# KiCad board veramonitor.kicad_pcb
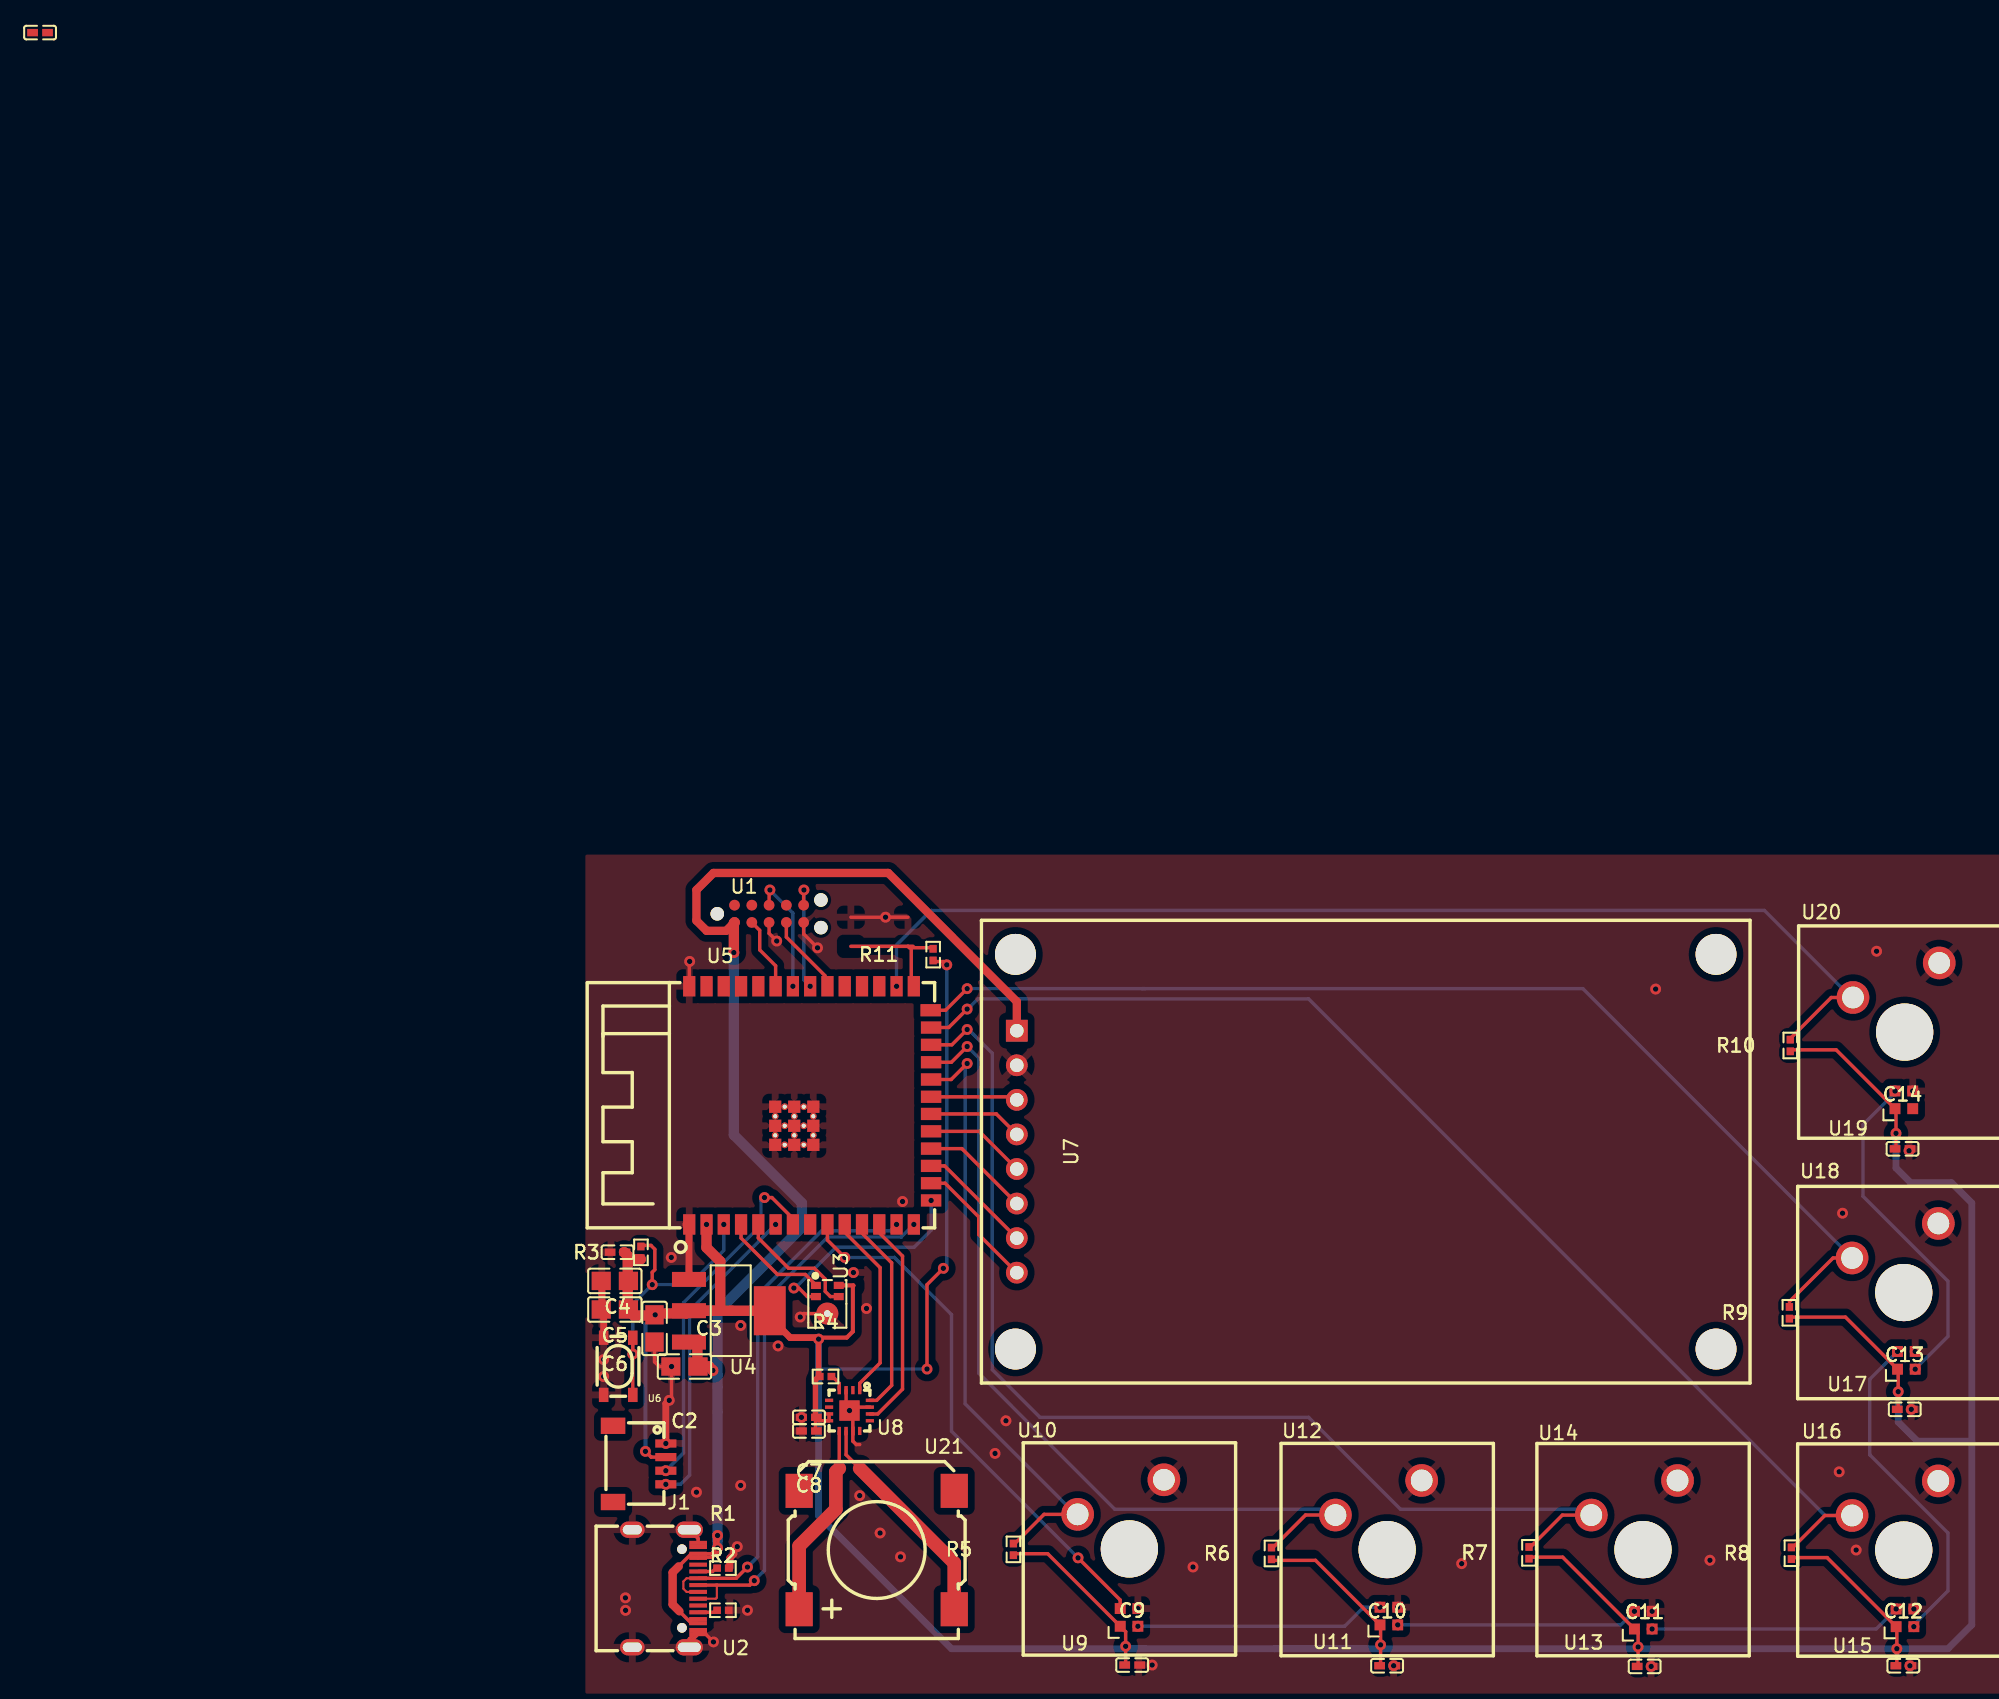
[diagram p0: board, top side]
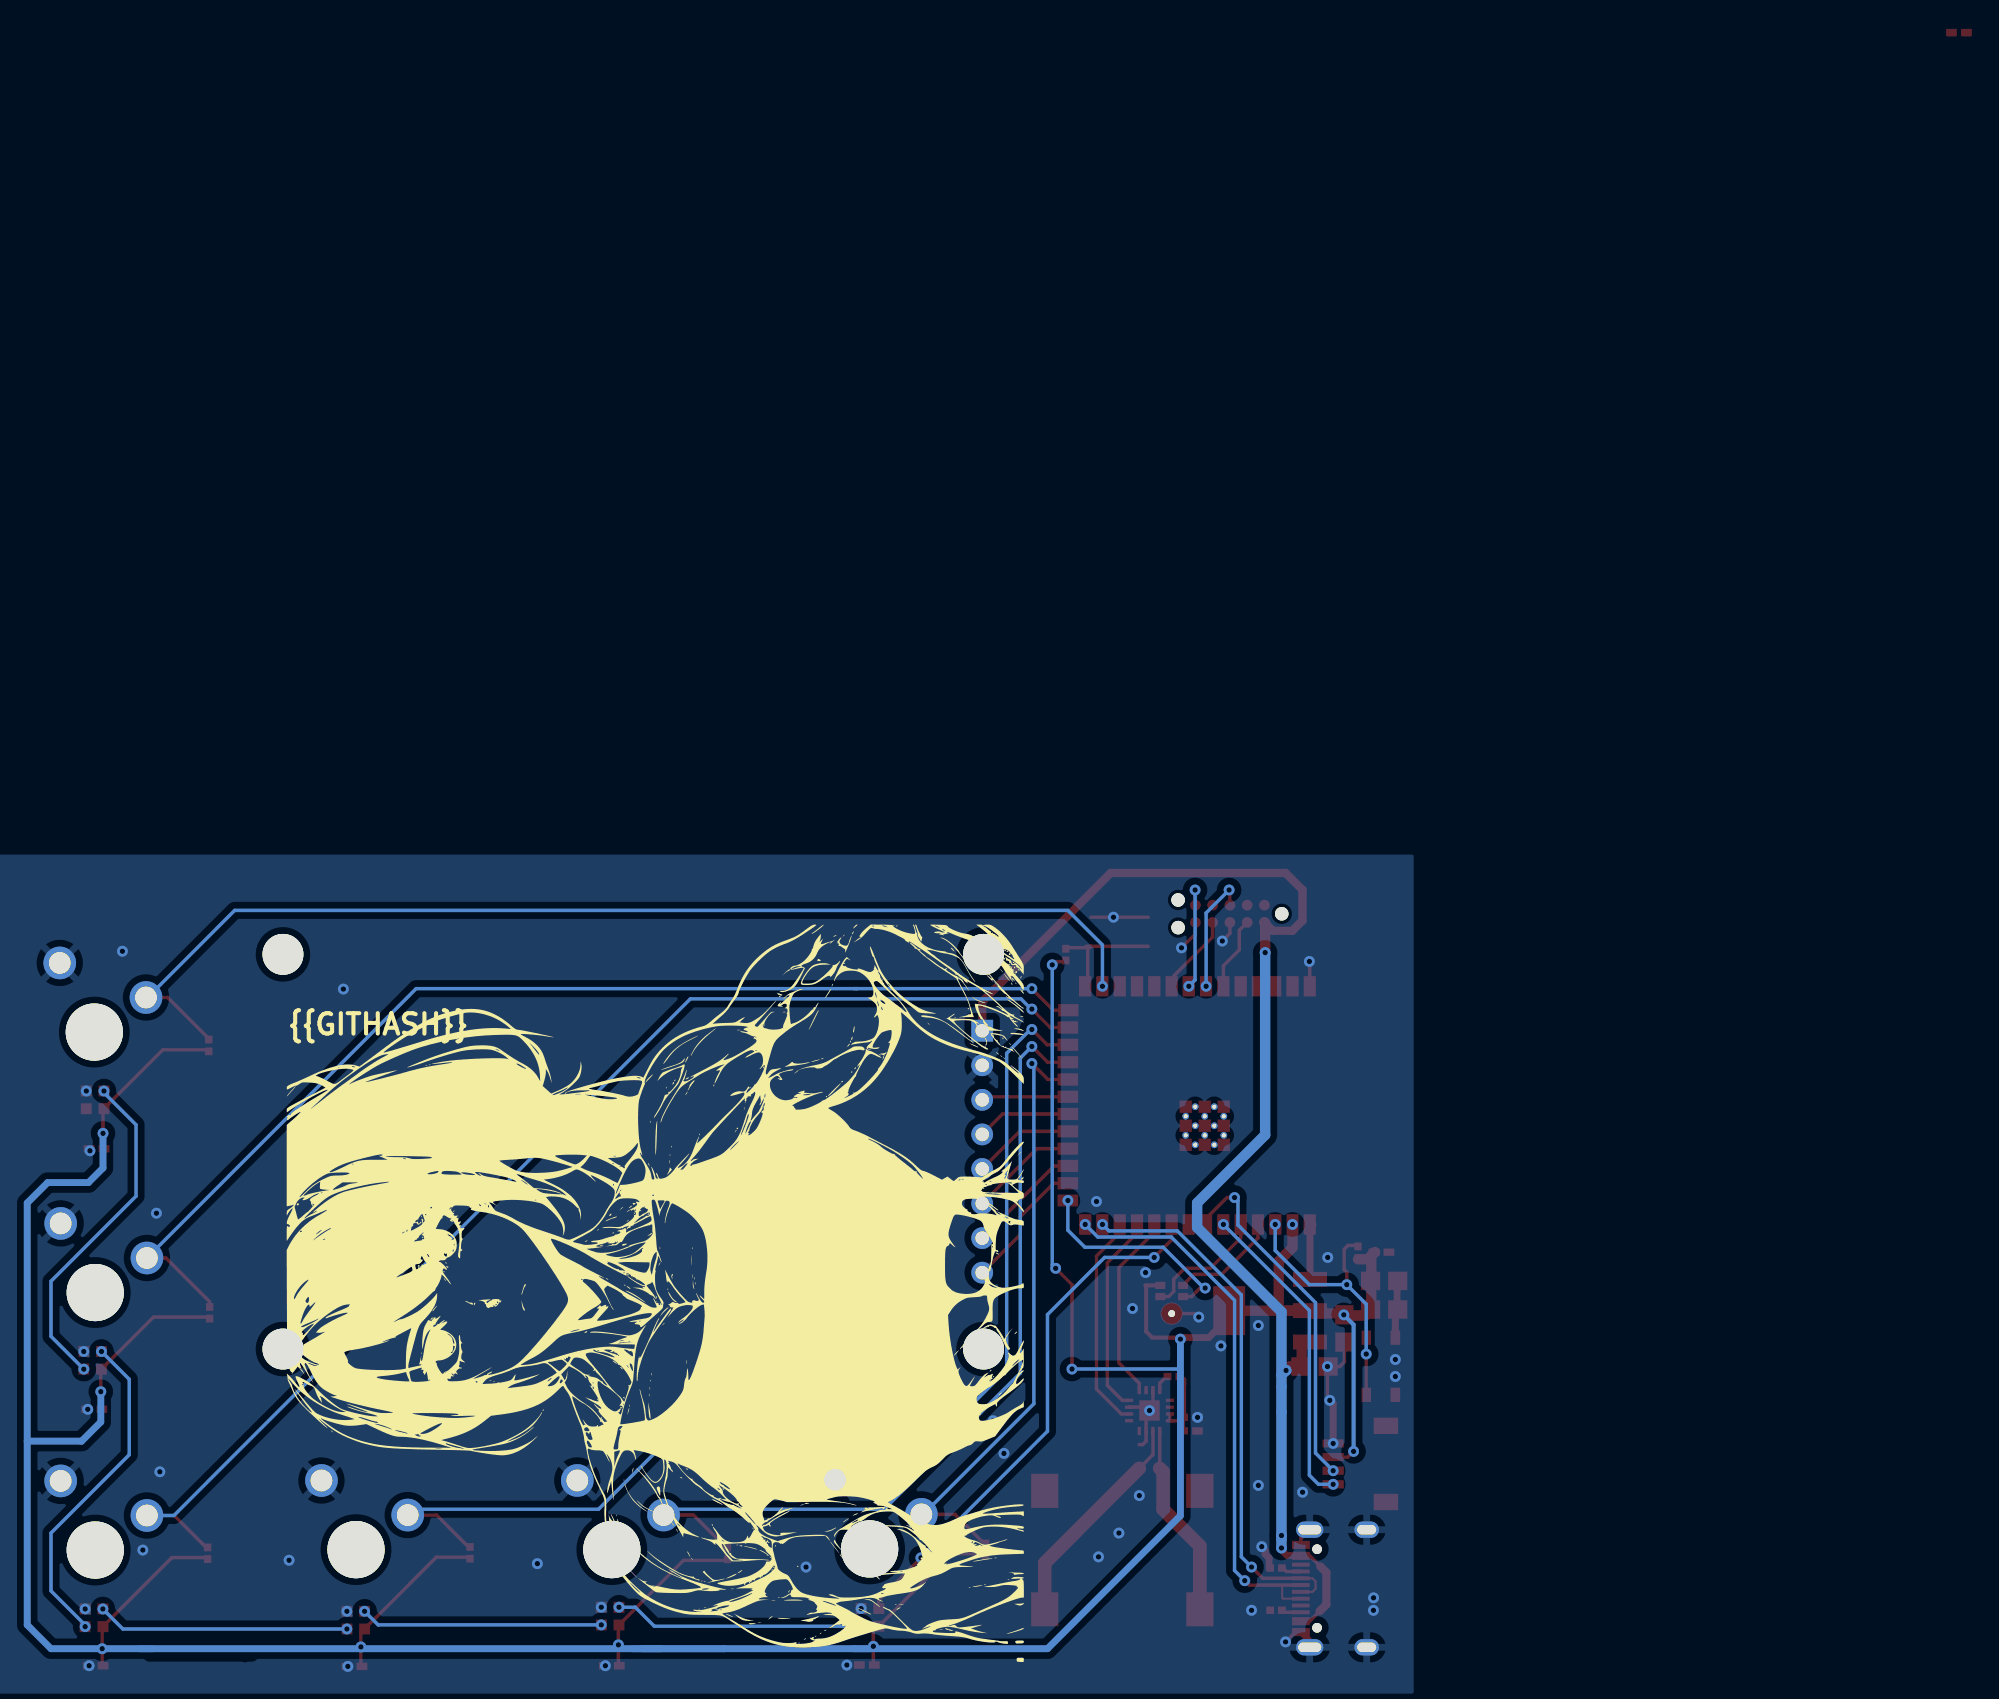
[diagram p1: board, bottom side, seen from below]

No outline. copper layers: Top, Bottom. Coordinates in mm from the lowest, leftmost part position.
Stack: Top 0.035mm / dielectric 1.51mm FR4 er 4.5 / Bottom 0.035mm

## Placement (name value [footprint] x y rotation side)
C2  10µF ±10% 25V X5R  [C0805-3b2e55]  47.37 22.03 180 top
C3  10µF ±10% 25V X5R  [C0805-3b2e55]  45.17 24.83 270 top
C4  100nF ±10% 16V X7R  [C0402-b3ef17]  42.45 30.44 180 top
C5  10µF ±10% 25V X5R  [C0805-3b2e55]  42.25 28.33 180 top
C6  10µF ±10% 25V X5R  [C0805-3b2e55]  42.25 26.22 180 top
C7  10µF ±20% 10V X5R  [C0402-b3ef17]  56.52 18.3 180 top
C8  100nF ±10% 16V X7R  [C0402-b3ef17]  56.52 17.3 180 top
C9  100nF ±10% 16V X7R  [C0402-b3ef17]  80.28 0.1 0 top
C10  100nF ±10% 16V X7R  [C0402-b3ef17]  99.02 0.05 0 top
C11  100nF ±10% 16V X7R  [C0402-b3ef17]  117.95 0 0 top
C12  100nF ±10% 16V X7R  [C0402-b3ef17]  136.97 0.05 0 top
C13  100nF ±10% 16V X7R  [C0402-b3ef17]  137.07 18.89 0 top
C14  100nF ±10% 16V X7R  [C0402-b3ef17]  136.91 38.03 0 top
J1  -  [CONN-SMD_4P-P1.00_SM04B-SRSS-TB-LF-SN]  44.06 14.88 270 top
R1  4.7kΩ ±1% 62.5mW  [R0402-56259e]  50.2 7.22 0 top
R2  4.7kΩ ±1% 62.5mW  [R0402-56259e]  50.2 4.12 0 top
R3  10kΩ ±1% 62.5mW  [R0402-56259e]  44.17 30.42 90 top
R4  10kΩ ±1% 62.5mW  [R0402-56259e]  57.74 21.3 0 top
R5  10kΩ ±1% 62.5mW  [R0402-56259e]  71.55 8.6 90 top
R6  10kΩ ±1% 62.5mW  [R0402-56259e]  90.52 8.3 90 top
R7  10kΩ ±1% 62.5mW  [R0402-56259e]  109.45 8.34 90 top
R8  10kΩ ±1% 62.5mW  [R0402-56259e]  128.74 8.31 90 top
R9  10kΩ ±1% 62.5mW  [R0402-56259e]  128.59 25.98 90 top
R10  10kΩ ±1% 62.5mW  [R0402-56259e]  128.66 45.62 90 top
R11  10kΩ ±1% 62.5mW  [R0402-56259e]  65.65 52.3 90 top
U1  -  [TAG-CONNECT_TC2050-IDC]  53.59 55.3 0 top
U2  -  [USB-C-SMD_KH-TYPE-C-16P]  45.95 5.72 270 top
U3  -  [MIC-SMD_5P_L3.5-W2.7-P0.82_SPH0641LU4H-1]  57.87 26.73 0 top
U4  -  [SOT-223-3_L6.5-W3.4-P2.30-LS7.0-BR]  50.67 26.13 180 top
U5  -  [WIRELM-SMD_ESP32-S3-WROOM-1]  56.61 41.22 90 top
U6  -  [KEY-SMD_4P-L4.2-W3.2-P2.20-LS4.6]  42.5 22.05 270 top
U7  -  [LCD-TH_L56.5-W34.0_1-8INCH-LCD-MODULE]  71.8 37.82 270 top
U8  -  [TQFN-16_L3.0-W3.0-P0.50-BL-EP1.5]  59.5 18.8 180 top
U9  -  [LED-SMD_4P-L2.0-W2.0-BR]  80.05 3.6 270 top
U10  -  [KEY-TH_CPG1511F01S0X]  79.44 12.44 0 top
U11  -  [LED-SMD_4P-L2.0-W2.0-BR]  99.15 3.7 270 top
U12  -  [KEY-TH_CPG1511F01S0X]  98.39 12.39 0 top
U13  -  [LED-SMD_4P-L2.0-W2.0-BR]  117.85 3.4 270 top
U14  -  [KEY-TH_CPG1511F01S0X]  117.2 12.39 0 top
U15  -  [LED-SMD_4P-L2.0-W2.0-BR]  137.09 3.57 270 top
U16  -  [KEY-TH_CPG1511F01S0X]  136.37 12.36 0 top
U17  -  [LED-SMD_4P-L2.0-W2.0-BR]  137.19 22.49 270 top
U18  -  [KEY-TH_CPG1511F01S0X]  136.37 31.28 0 top
U19  -  [LED-SMD_4P-L2.0-W2.0-BR]  137.01 41.63 270 top
U20  -  [KEY-TH_CPG1511F01S0X]  136.44 50.42 0 top
U21  -  [BUZ-SMD_4P-L13.0-W13.0-P11.4-BL]  61.5 8.55 0 top
U22  10nF ±10% 50V X7R  [C0402-b3ef17]  0 120.05 0 top

## Library data of the parts
C2 = -: __atopile_lib_fp_hash__: c0d61a78-3242-9367-2527-fb8917783768; LCSC: C15850; Partnumber: CL21A106KAYNNNE; Manufacturer: Samsung Electro-Mechanics; JLCPCB description: 25V 10uF X5R ±10% 0805 Multilayer Ceramic Capacitors MLCC - SMD/SMT ROHS; PARAM_capacitance: {"type": "Quantity_Interval_Disjoint", "data": {"intervals": {"type": "Numeric_Interval_Disjoint", "data": {"intervals": [{"type": "Numeric_Interval", "data": {"min": 8.999999985e-06, "max": 1.1000000015e-05}}]}}, "unit": "farad"}}; PARAM_temperature_coefficient: {"type": "EnumSet", "data": {"elements": [{"name": "X5R"}], "enum": {"name": "TemperatureCoefficient", "values": {"Y5V": 1, "Z5U": 2, "X7S": 3, "X5R": 4, "X6R": 5, "X7R": 6, "X8R": 7, "C0G": 8}}}}; PARAM_max_voltage: {"type": "Quantity_Set_Discrete", "data": {"intervals": {"type": "Numeric_Interval_Disjoint", "data": {"intervals": [{"type": "Numeric_Interval", "data": {"min": 25.0, "max": 25.0}}]}}, "unit": "volt"}}; atopile_address: ldo.input_cap
C3 = -: __atopile_lib_fp_hash__: 048df701-28c8-1254-f0a2-45389ed6357e; LCSC: C15850; Partnumber: CL21A106KAYNNNE; Manufacturer: Samsung Electro-Mechanics; JLCPCB description: 25V 10uF X5R ±10% 0805 Multilayer Ceramic Capacitors MLCC - SMD/SMT ROHS; PARAM_capacitance: {"type": "Quantity_Interval_Disjoint", "data": {"intervals": {"type": "Numeric_Interval_Disjoint", "data": {"intervals": [{"type": "Numeric_Interval", "data": {"min": 8.999999985e-06, "max": 1.1000000015e-05}}]}}, "unit": "farad"}}; PARAM_max_voltage: {"type": "Quantity_Set_Discrete", "data": {"intervals": {"type": "Numeric_Interval_Disjoint", "data": {"intervals": [{"type": "Numeric_Interval", "data": {"min": 25.0, "max": 25.0}}]}}, "unit": "volt"}}; PARAM_temperature_coefficient: {"type": "EnumSet", "data": {"elements": [{"name": "X5R"}], "enum": {"name": "TemperatureCoefficient", "values": {"Y5V": 1, "Z5U": 2, "X7S": 3, "X5R": 4, "X6R": 5, "X7R": 6, "X8R": 7, "C0G": 8}}}}; atopile_address: ldo.output_cap
C4 = -: __atopile_lib_fp_hash__: 8b0b069b-3858-5493-5bd1-0130b317691f; LCSC: C1525; Partnumber: CL05B104KO5NNNC; Manufacturer: Samsung Electro-Mechanics; JLCPCB description: 16V 100nF X7R ±10% 0402 Multilayer Ceramic Capacitors MLCC - SMD/SMT ROHS; PARAM_capacitance: {"type": "Quantity_Interval_Disjoint", "data": {"intervals": {"type": "Numeric_Interval_Disjoint", "data": {"intervals": [{"type": "Numeric_Interval", "data": {"min": 9e-08, "max": 1.1e-07}}]}}, "unit": "farad"}}; PARAM_temperature_coefficient: {"type": "EnumSet", "data": {"elements": [{"name": "X7R"}], "enum": {"name": "TemperatureCoefficient", "values": {"Y5V": 1, "Z5U": 2, "X7S": 3, "X5R": 4, "X6R": 5, "X7R": 6, "X8R": 7, "C0G": 8}}}}; PARAM_max_voltage: {"type": "Quantity_Set_Discrete", "data": {"intervals": {"type": "Numeric_Interval_Disjoint", "data": {"intervals": [{"type": "Numeric_Interval", "data": {"min": 16.0, "max": 16.0}}]}}, "unit": "volt"}}; atopile_address: micro.lil_cap
C5 = -: __atopile_lib_fp_hash__: 551adc97-be34-c694-4c6b-cbe6657b9ae4; LCSC: C15850; Partnumber: CL21A106KAYNNNE; Manufacturer: Samsung Electro-Mechanics; JLCPCB description: 25V 10uF X5R ±10% 0805 Multilayer Ceramic Capacitors MLCC - SMD/SMT ROHS; PARAM_capacitance: {"type": "Quantity_Interval_Disjoint", "data": {"intervals": {"type": "Numeric_Interval_Disjoint", "data": {"intervals": [{"type": "Numeric_Interval", "data": {"min": 8.999999985e-06, "max": 1.1000000015e-05}}]}}, "unit": "farad"}}; PARAM_max_voltage: {"type": "Quantity_Set_Discrete", "data": {"intervals": {"type": "Numeric_Interval_Disjoint", "data": {"intervals": [{"type": "Numeric_Interval", "data": {"min": 25.0, "max": 25.0}}]}}, "unit": "volt"}}; PARAM_temperature_coefficient: {"type": "EnumSet", "data": {"elements": [{"name": "X5R"}], "enum": {"name": "TemperatureCoefficient", "values": {"Y5V": 1, "Z5U": 2, "X7S": 3, "X5R": 4, "X6R": 5, "X7R": 6, "X8R": 7, "C0G": 8}}}}; atopile_address: micro.big_cap_1
C6 = -: __atopile_lib_fp_hash__: 5f786eee-9de1-9e05-70e7-aaef966d469d; LCSC: C15850; Partnumber: CL21A106KAYNNNE; Manufacturer: Samsung Electro-Mechanics; JLCPCB description: 25V 10uF X5R ±10% 0805 Multilayer Ceramic Capacitors MLCC - SMD/SMT ROHS; PARAM_capacitance: {"type": "Quantity_Interval_Disjoint", "data": {"intervals": {"type": "Numeric_Interval_Disjoint", "data": {"intervals": [{"type": "Numeric_Interval", "data": {"min": 8.999999985e-06, "max": 1.1000000015e-05}}]}}, "unit": "farad"}}; PARAM_max_voltage: {"type": "Quantity_Set_Discrete", "data": {"intervals": {"type": "Numeric_Interval_Disjoint", "data": {"intervals": [{"type": "Numeric_Interval", "data": {"min": 25.0, "max": 25.0}}]}}, "unit": "volt"}}; PARAM_temperature_coefficient: {"type": "EnumSet", "data": {"elements": [{"name": "X5R"}], "enum": {"name": "TemperatureCoefficient", "values": {"Y5V": 1, "Z5U": 2, "X7S": 3, "X5R": 4, "X6R": 5, "X7R": 6, "X8R": 7, "C0G": 8}}}}; atopile_address: micro.big_cap_2
C7 = -: __atopile_lib_fp_hash__: bf9079fe-e915-0b2d-5e52-be6a270a249b; LCSC: C315248; Partnumber: CL05A106MP5NUNC; Manufacturer: Samsung Electro-Mechanics; JLCPCB description: 10V 10uF X5R ±20% 0402  Multilayer Ceramic Capacitors MLCC - SMD/SMT ROHS; PARAM_capacitance: {"type": "Quantity_Interval_Disjoint", "data": {"intervals": {"type": "Numeric_Interval_Disjoint", "data": {"intervals": [{"type": "Numeric_Interval", "data": {"min": 7.99999997e-06, "max": 1.200000003e-05}}]}}, "unit": "farad"}}; PARAM_temperature_coefficient: {"type": "EnumSet", "data": {"elements": [{"name": "X5R"}], "enum": {"name": "TemperatureCoefficient", "values": {"Y5V": 1, "Z5U": 2, "X7S": 3, "X5R": 4, "X6R": 5, "X7R": 6, "X8R": 7, "C0G": 8}}}}; PARAM_max_voltage: {"type": "Quantity_Set_Discrete", "data": {"intervals": {"type": "Numeric_Interval_Disjoint", "data": {"intervals": [{"type": "Numeric_Interval", "data": {"min": 10.0, "max": 10.0}}]}}, "unit": "volt"}}; atopile_address: amp.C1
C8 = -: __atopile_lib_fp_hash__: 8c634c14-df00-0072-44ca-0520385bb342; LCSC: C1525; Partnumber: CL05B104KO5NNNC; Manufacturer: Samsung Electro-Mechanics; JLCPCB description: 16V 100nF X7R ±10% 0402 Multilayer Ceramic Capacitors MLCC - SMD/SMT ROHS; PARAM_capacitance: {"type": "Quantity_Interval_Disjoint", "data": {"intervals": {"type": "Numeric_Interval_Disjoint", "data": {"intervals": [{"type": "Numeric_Interval", "data": {"min": 9e-08, "max": 1.1e-07}}]}}, "unit": "farad"}}; PARAM_temperature_coefficient: {"type": "EnumSet", "data": {"elements": [{"name": "X7R"}], "enum": {"name": "TemperatureCoefficient", "values": {"Y5V": 1, "Z5U": 2, "X7S": 3, "X5R": 4, "X6R": 5, "X7R": 6, "X8R": 7, "C0G": 8}}}}; PARAM_max_voltage: {"type": "Quantity_Set_Discrete", "data": {"intervals": {"type": "Numeric_Interval_Disjoint", "data": {"intervals": [{"type": "Numeric_Interval", "data": {"min": 16.0, "max": 16.0}}]}}, "unit": "volt"}}; atopile_address: amp.C2
C9 = -: __atopile_lib_fp_hash__: aa788180-20f0-de60-effa-5a6edf153225; LCSC: C1525; Partnumber: CL05B104KO5NNNC; Manufacturer: Samsung Electro-Mechanics; JLCPCB description: 16V 100nF X7R ±10% 0402 Multilayer Ceramic Capacitors MLCC - SMD/SMT ROHS; PARAM_capacitance: {"type": "Quantity_Interval_Disjoint", "data": {"intervals": {"type": "Numeric_Interval_Disjoint", "data": {"intervals": [{"type": "Numeric_Interval", "data": {"min": 9e-08, "max": 1.1e-07}}]}}, "unit": "farad"}}; PARAM_max_voltage: {"type": "Quantity_Set_Discrete", "data": {"intervals": {"type": "Numeric_Interval_Disjoint", "data": {"intervals": [{"type": "Numeric_Interval", "data": {"min": 16.0, "max": 16.0}}]}}, "unit": "volt"}}; PARAM_temperature_coefficient: {"type": "EnumSet", "data": {"elements": [{"name": "X7R"}], "enum": {"name": "TemperatureCoefficient", "values": {"Y5V": 1, "Z5U": 2, "X7S": 3, "X5R": 4, "X6R": 5, "X7R": 6, "X8R": 7, "C0G": 8}}}}; atopile_address: sw1.led.cap
C10 = -: __atopile_lib_fp_hash__: d8768870-b822-e6de-b877-30da6f8d4735; LCSC: C1525; Partnumber: CL05B104KO5NNNC; Manufacturer: Samsung Electro-Mechanics; JLCPCB description: 16V 100nF X7R ±10% 0402 Multilayer Ceramic Capacitors MLCC - SMD/SMT ROHS; PARAM_capacitance: {"type": "Quantity_Interval_Disjoint", "data": {"intervals": {"type": "Numeric_Interval_Disjoint", "data": {"intervals": [{"type": "Numeric_Interval", "data": {"min": 9e-08, "max": 1.1e-07}}]}}, "unit": "farad"}}; PARAM_max_voltage: {"type": "Quantity_Set_Discrete", "data": {"intervals": {"type": "Numeric_Interval_Disjoint", "data": {"intervals": [{"type": "Numeric_Interval", "data": {"min": 16.0, "max": 16.0}}]}}, "unit": "volt"}}; PARAM_temperature_coefficient: {"type": "EnumSet", "data": {"elements": [{"name": "X7R"}], "enum": {"name": "TemperatureCoefficient", "values": {"Y5V": 1, "Z5U": 2, "X7S": 3, "X5R": 4, "X6R": 5, "X7R": 6, "X8R": 7, "C0G": 8}}}}; atopile_address: sw2.led.cap
C11 = -: __atopile_lib_fp_hash__: 0e1ccc11-4743-6e6e-8590-b7b949c93d6f; LCSC: C1525; Partnumber: CL05B104KO5NNNC; Manufacturer: Samsung Electro-Mechanics; JLCPCB description: 16V 100nF X7R ±10% 0402 Multilayer Ceramic Capacitors MLCC - SMD/SMT ROHS; PARAM_capacitance: {"type": "Quantity_Interval_Disjoint", "data": {"intervals": {"type": "Numeric_Interval_Disjoint", "data": {"intervals": [{"type": "Numeric_Interval", "data": {"min": 9e-08, "max": 1.1e-07}}]}}, "unit": "farad"}}; PARAM_temperature_coefficient: {"type": "EnumSet", "data": {"elements": [{"name": "X7R"}], "enum": {"name": "TemperatureCoefficient", "values": {"Y5V": 1, "Z5U": 2, "X7S": 3, "X5R": 4, "X6R": 5, "X7R": 6, "X8R": 7, "C0G": 8}}}}; PARAM_max_voltage: {"type": "Quantity_Set_Discrete", "data": {"intervals": {"type": "Numeric_Interval_Disjoint", "data": {"intervals": [{"type": "Numeric_Interval", "data": {"min": 16.0, "max": 16.0}}]}}, "unit": "volt"}}; atopile_address: sw3.led.cap
C12 = -: __atopile_lib_fp_hash__: 28bdc097-4552-bba1-9abb-f82c2b40bde7; LCSC: C1525; Partnumber: CL05B104KO5NNNC; Manufacturer: Samsung Electro-Mechanics; JLCPCB description: 16V 100nF X7R ±10% 0402 Multilayer Ceramic Capacitors MLCC - SMD/SMT ROHS; PARAM_capacitance: {"type": "Quantity_Interval_Disjoint", "data": {"intervals": {"type": "Numeric_Interval_Disjoint", "data": {"intervals": [{"type": "Numeric_Interval", "data": {"min": 9e-08, "max": 1.1e-07}}]}}, "unit": "farad"}}; PARAM_temperature_coefficient: {"type": "EnumSet", "data": {"elements": [{"name": "X7R"}], "enum": {"name": "TemperatureCoefficient", "values": {"Y5V": 1, "Z5U": 2, "X7S": 3, "X5R": 4, "X6R": 5, "X7R": 6, "X8R": 7, "C0G": 8}}}}; PARAM_max_voltage: {"type": "Quantity_Set_Discrete", "data": {"intervals": {"type": "Numeric_Interval_Disjoint", "data": {"intervals": [{"type": "Numeric_Interval", "data": {"min": 16.0, "max": 16.0}}]}}, "unit": "volt"}}; atopile_address: sw4.led.cap
C13 = -: __atopile_lib_fp_hash__: 7d6c6b92-af5b-be53-1b8b-1fab65abde6c; LCSC: C1525; Partnumber: CL05B104KO5NNNC; Manufacturer: Samsung Electro-Mechanics; JLCPCB description: 16V 100nF X7R ±10% 0402 Multilayer Ceramic Capacitors MLCC - SMD/SMT ROHS; PARAM_capacitance: {"type": "Quantity_Interval_Disjoint", "data": {"intervals": {"type": "Numeric_Interval_Disjoint", "data": {"intervals": [{"type": "Numeric_Interval", "data": {"min": 9e-08, "max": 1.1e-07}}]}}, "unit": "farad"}}; PARAM_temperature_coefficient: {"type": "EnumSet", "data": {"elements": [{"name": "X7R"}], "enum": {"name": "TemperatureCoefficient", "values": {"Y5V": 1, "Z5U": 2, "X7S": 3, "X5R": 4, "X6R": 5, "X7R": 6, "X8R": 7, "C0G": 8}}}}; PARAM_max_voltage: {"type": "Quantity_Set_Discrete", "data": {"intervals": {"type": "Numeric_Interval_Disjoint", "data": {"intervals": [{"type": "Numeric_Interval", "data": {"min": 16.0, "max": 16.0}}]}}, "unit": "volt"}}; atopile_address: sw5.led.cap
C14 = -: __atopile_lib_fp_hash__: d23ea141-ee88-f731-a3d6-a5d8d2af717b; LCSC: C1525; Partnumber: CL05B104KO5NNNC; Manufacturer: Samsung Electro-Mechanics; JLCPCB description: 16V 100nF X7R ±10% 0402 Multilayer Ceramic Capacitors MLCC - SMD/SMT ROHS; PARAM_capacitance: {"type": "Quantity_Interval_Disjoint", "data": {"intervals": {"type": "Numeric_Interval_Disjoint", "data": {"intervals": [{"type": "Numeric_Interval", "data": {"min": 9e-08, "max": 1.1e-07}}]}}, "unit": "farad"}}; PARAM_max_voltage: {"type": "Quantity_Set_Discrete", "data": {"intervals": {"type": "Numeric_Interval_Disjoint", "data": {"intervals": [{"type": "Numeric_Interval", "data": {"min": 16.0, "max": 16.0}}]}}, "unit": "volt"}}; PARAM_temperature_coefficient: {"type": "EnumSet", "data": {"elements": [{"name": "X7R"}], "enum": {"name": "TemperatureCoefficient", "values": {"Y5V": 1, "Z5U": 2, "X7S": 3, "X5R": 4, "X6R": 5, "X7R": 6, "X8R": 7, "C0G": 8}}}}; atopile_address: sw6.led.cap
J1 = -: LCSC: C160404; Partnumber: SM04B-SRSS-TB(LF)(SN); Manufacturer: JST Sales America; JLCPCB description: 1x4P 4P SH Tin 4 -25℃~+85℃ 1A 1 1mm Copper alloy Horizontal attachment SMD,P=1mm,Surface Mount，Right Angle Wire To Board Connector ROHS; atopile_address: i2c_connector